# KiCad board motherboard.kicad_pcb
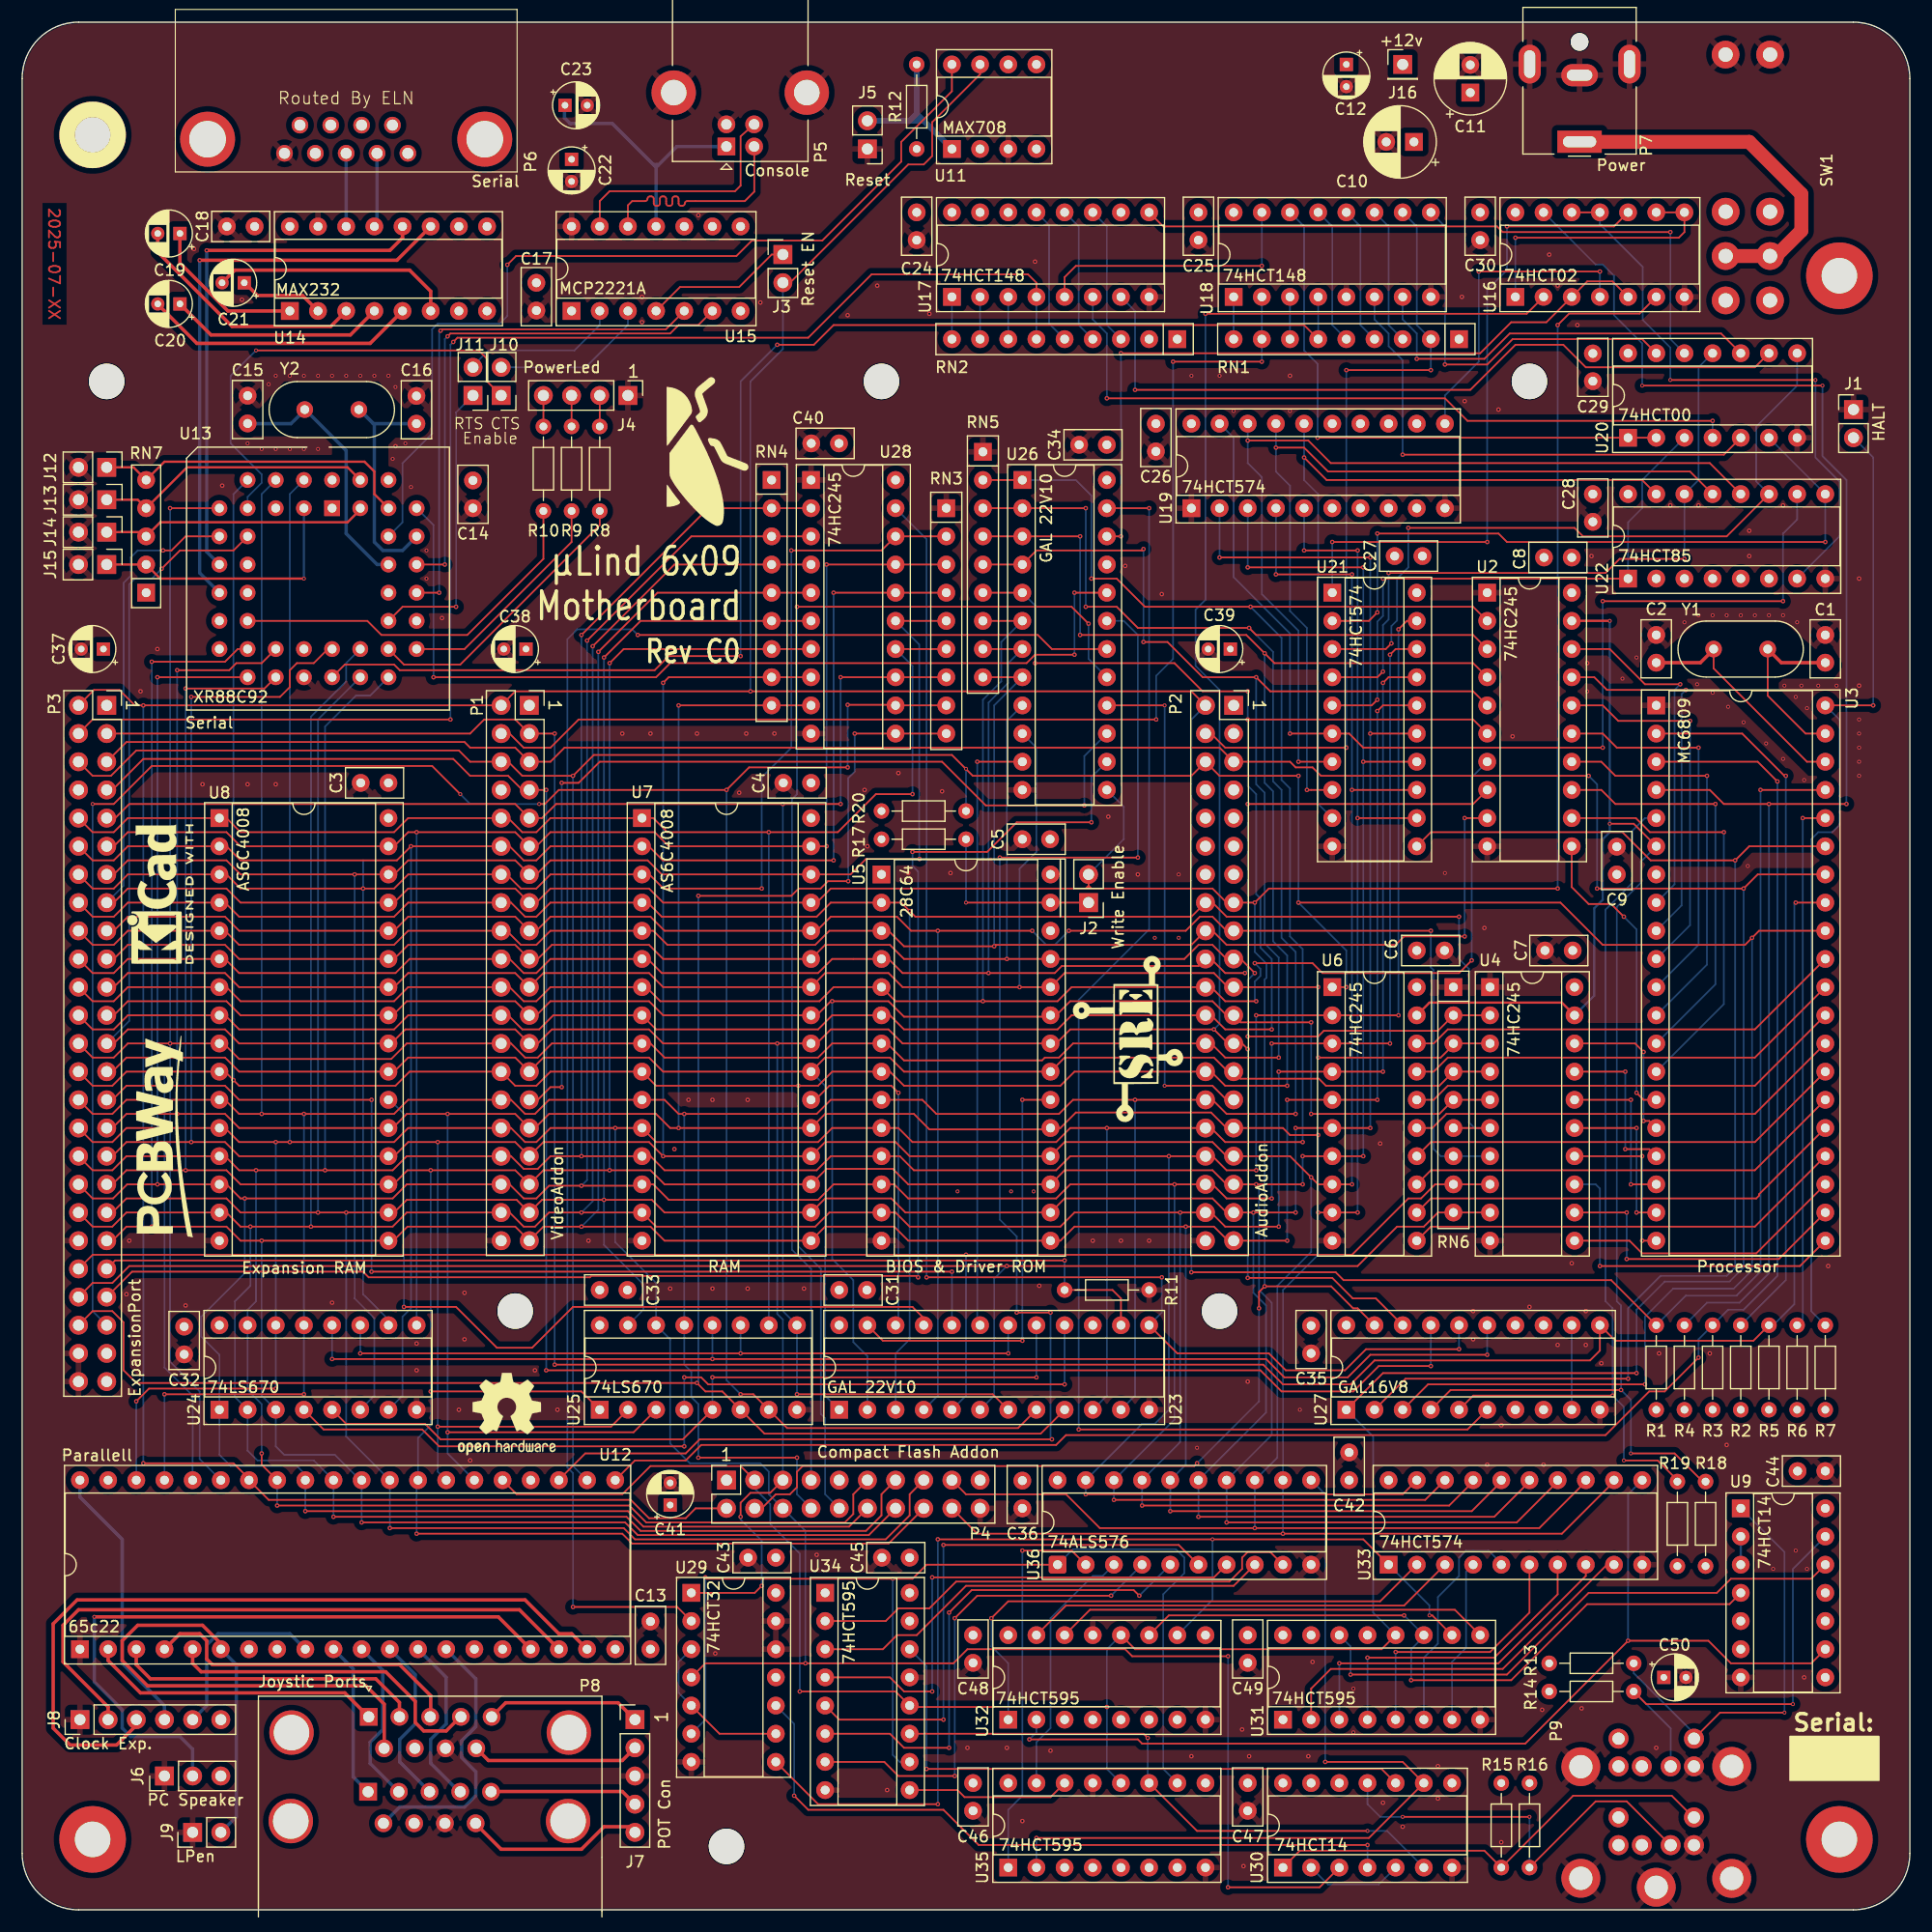
[diagram p0: board, top side]
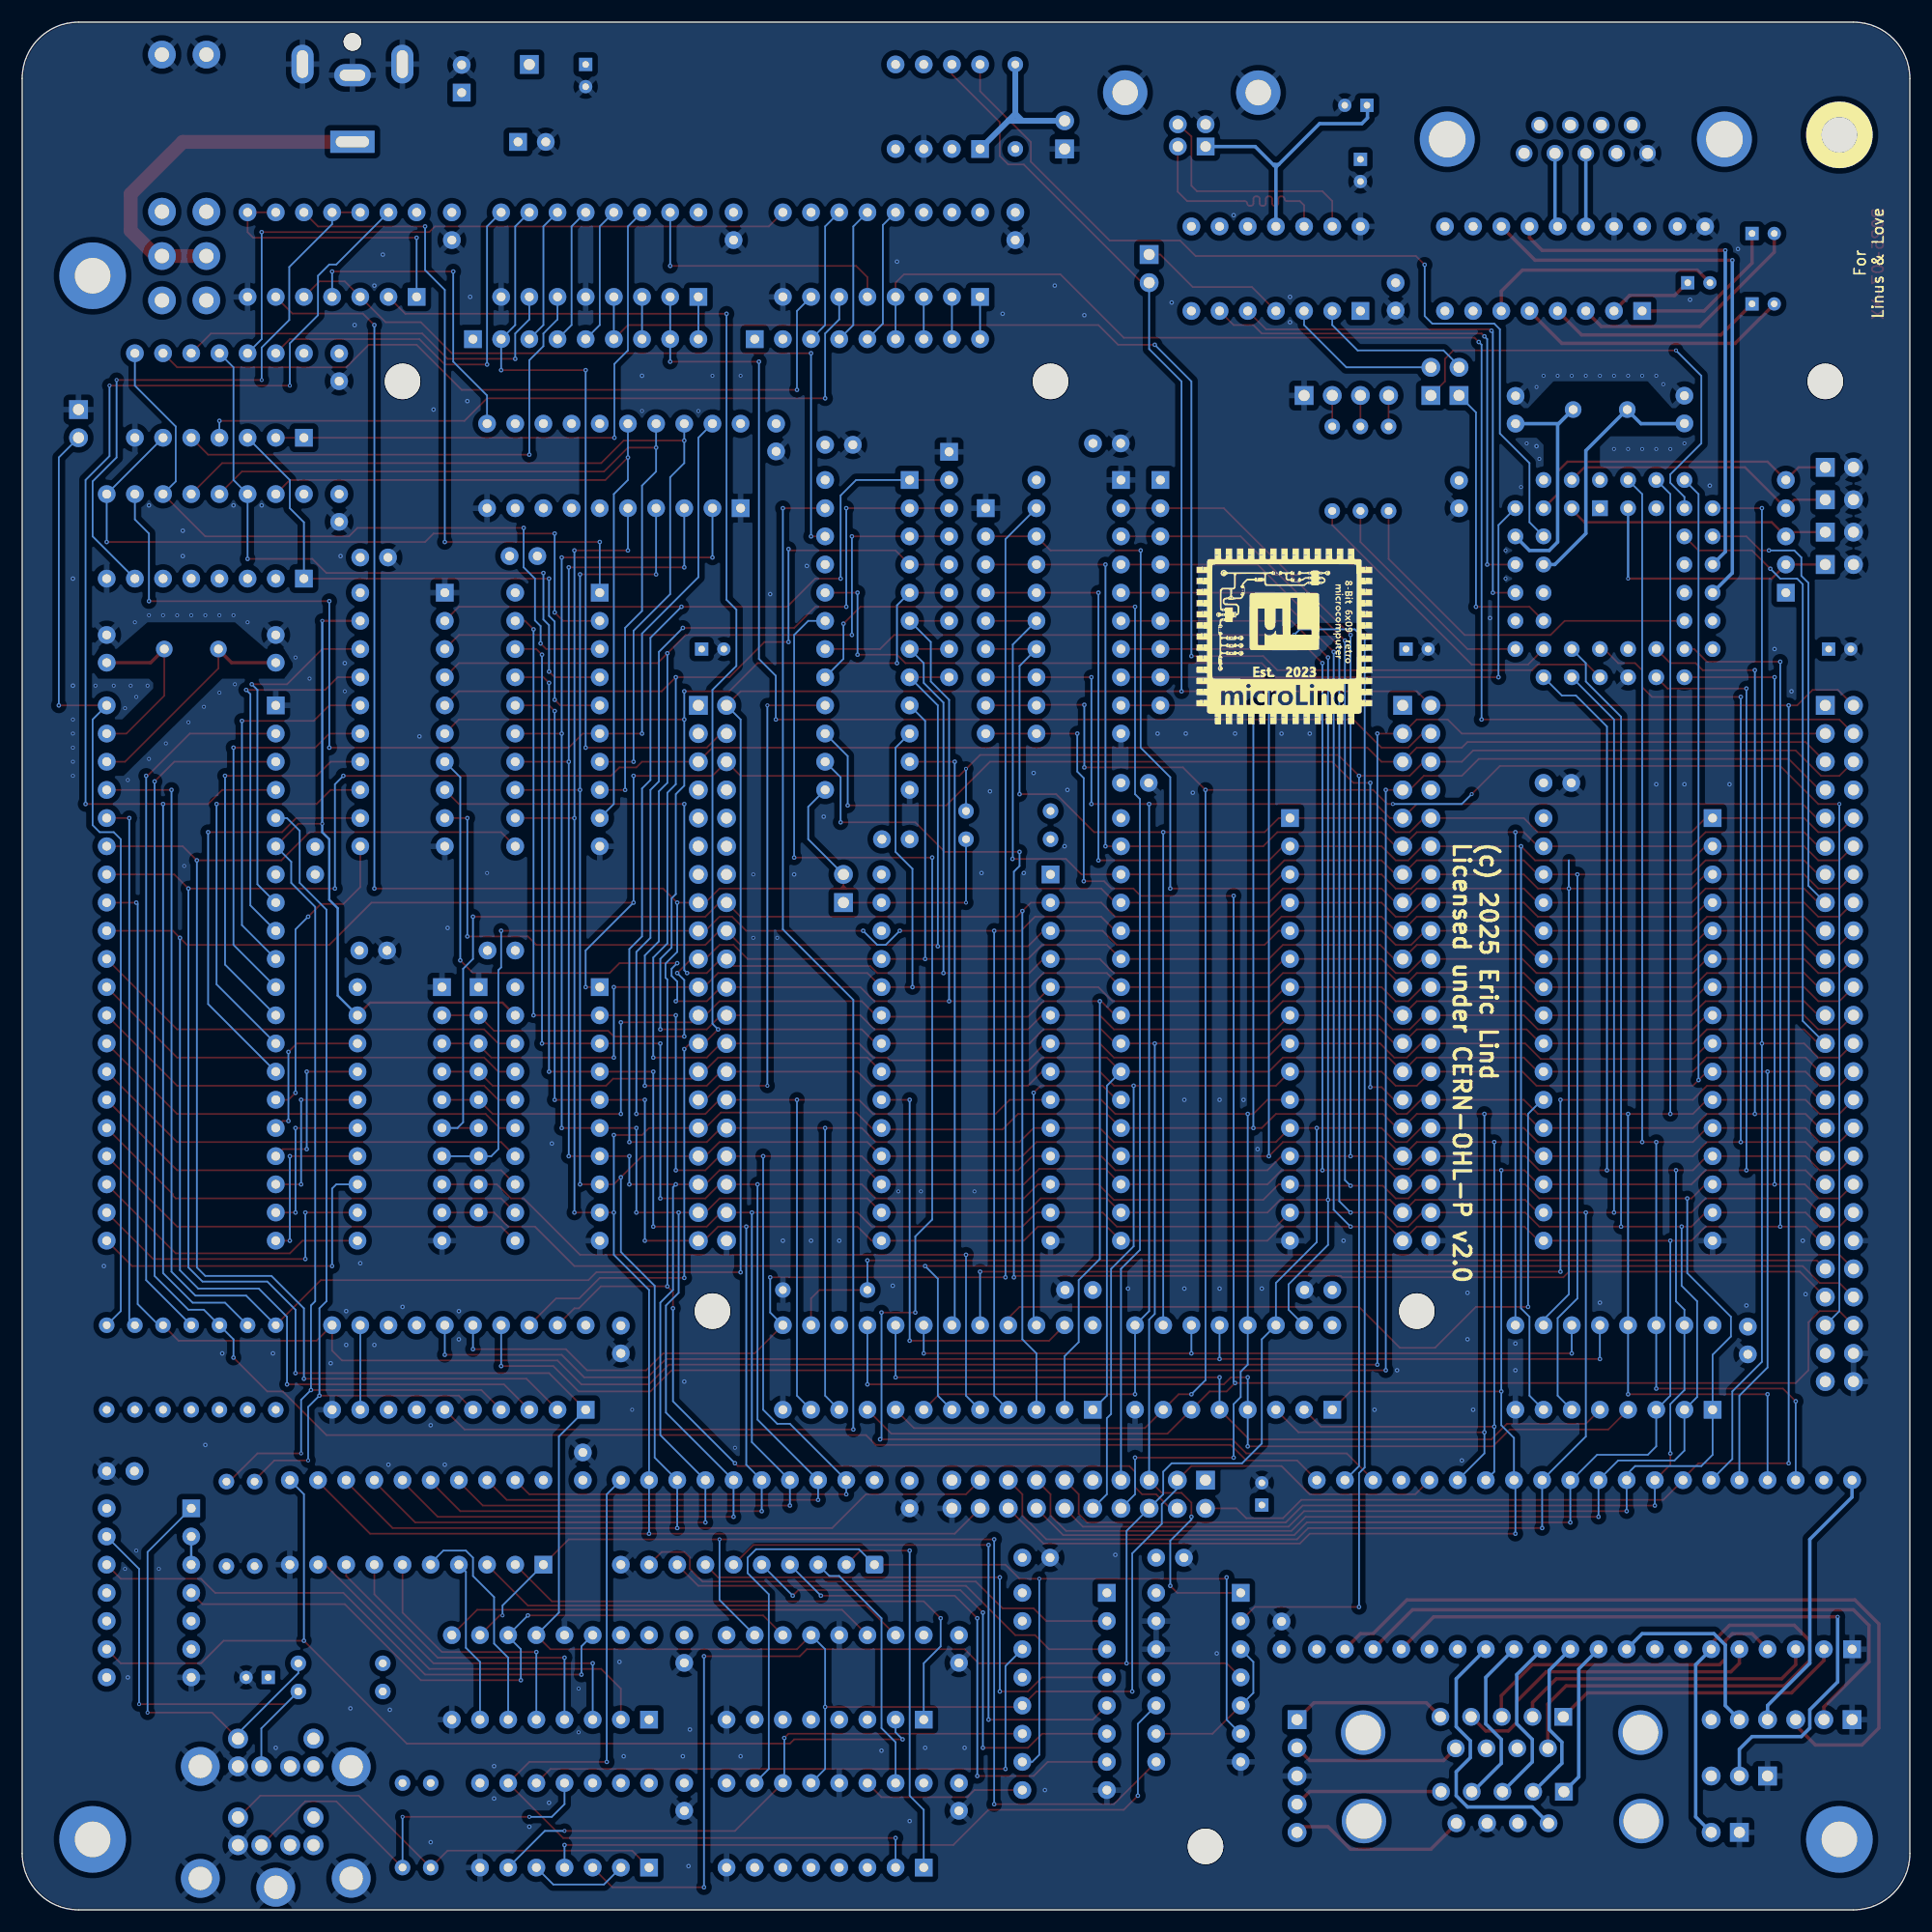
[diagram p1: board, bottom side, seen from below]

Outline 170.18 x 170.18 mm; copper layers: Top, In1.Cu (plane), In2.Cu (plane), Bottom. Coordinates in mm from the lower left corner of the outline.
Stack: Top 0.035mm / dielectric 0.1mm FR4 er 4.5 / In1.Cu 0.035mm / dielectric 1.24mm FR4 er 4.5 / In2.Cu 0.035mm / dielectric 0.1mm FR4 er 4.5 / Bottom 0.035mm

## Placement (name value [footprint] x y rotation side)
C1  22pF  [C_Disc_D5.0mm_W2.5mm_P2.50mm]  162.56 112.44 90 top
C2  22pF  [C_Disc_D5.0mm_W2.5mm_P2.50mm]  147.32 112.44 90 top
C3  100n  [C_Disc_D5.0mm_W2.5mm_P2.50mm]  33.02 101.6 180 top
C4  100n  [C_Disc_D5.0mm_W2.5mm_P2.50mm]  71.12 101.6 180 top
C5  100n  [C_Disc_D5.0mm_W2.5mm_P2.50mm]  92.67 96.52 180 top
C6  100n  [C_Disc_D5.0mm_W2.5mm_P2.50mm]  125.73 86.49 0 top
C7  100n  [C_Disc_D5.0mm_W2.5mm_P2.50mm]  139.79 86.49 180 top
C8  100n  [C_Disc_D5.0mm_W2.5mm_P2.50mm]  139.7 121.92 180 top
C9  100n  [C_Disc_D5.0mm_W2.5mm_P2.50mm]  143.76 93.34 90 top
C10  33µF  [CP_Radial_D6.3mm_P2.50mm]  125.48 159.38 180 top
C11  100µF  [CP_Radial_D6.3mm_P2.50mm]  130.56 163.83 90 top
C12  10µF  [CP_Radial_D4.0mm_P2.00mm]  119.38 166.37 270 top
C13  100n  [C_Disc_D5.0mm_W2.5mm_P2.50mm]  56.64 23.5 90 top
C14  100n  [C_Disc_D5.0mm_W2.5mm_P2.50mm]  40.64 128.87 270 top
C15  43pF  [C_Disc_D5.0mm_W2.5mm_P2.50mm]  20.32 134 90 top
C16  43pF  [C_Disc_D5.0mm_W2.5mm_P2.50mm]  35.54 133.98 90 top
C17  100n  [C_Disc_D5.0mm_W2.5mm_P2.50mm]  46.35 146.69 270 top
C18  100n  [C_Disc_D5.0mm_W2.5mm_P2.50mm]  20.96 151.76 180 top
C19  1u  [CP_Radial_D4.0mm_P2.00mm]  14.22 151.13 180 top
C20  1u  [CP_Radial_D4.0mm_P2.00mm]  14.22 144.78 180 top
C21  1u  [CP_Radial_D4.0mm_P2.00mm]  20.02 146.69 180 top
C22  1u  [CP_Radial_D4.0mm_P2.00mm]  49.53 157.82 270 top
C23  1u  [CP_Radial_D4.0mm_P2.00mm]  48.94 162.69 0 top
C24  100n  [C_Disc_D5.0mm_W2.5mm_P2.50mm]  80.64 153.03 270 top
C25  100n  [C_Disc_D5.0mm_W2.5mm_P2.50mm]  106.05 153.03 270 top
C26  100n  [C_Disc_D5.0mm_W2.5mm_P2.50mm]  102.21 133.98 270 top
C27  100n  [C_Disc_D5.0mm_W2.5mm_P2.50mm]  126.24 122.05 180 top
C28  100n  [C_Disc_D5.0mm_W2.5mm_P2.50mm]  141.61 127.63 270 top
C29  100n  [C_Disc_D5.0mm_W2.5mm_P2.50mm]  141.61 140.31 270 top
C30  100n  [C_Disc_D5.0mm_W2.5mm_P2.50mm]  131.45 153.03 270 top
C31  100n  [C_Disc_D5.0mm_W2.5mm_P2.50mm]  73.66 55.88 0 top
C32  100n  [C_Disc_D5.0mm_W2.5mm_P2.50mm]  14.61 52.58 270 top
C33  100n  [C_Disc_D5.0mm_W2.5mm_P2.50mm]  52.07 55.88 0 top
C34  100n  [C_Disc_D5.0mm_W2.5mm_P2.50mm]  97.79 132.08 180 top
C35  100n  [C_Disc_D5.0mm_W2.5mm_P2.50mm]  116.2 52.66 270 top
C36  100n  [C_Disc_D5.0mm_W2.5mm_P2.50mm]  90.17 38.69 270 top
C37  10u  [CP_Radial_D4.0mm_P2.00mm]  7.32 113.67 180 top
C38  10u  [CP_Radial_D4.0mm_P2.00mm]  45.42 113.66 180 top
C39  10u  [CP_Radial_D4.0mm_P2.00mm]  108.92 113.66 180 top
C40  100n  [C_Disc_D5.0mm_W2.5mm_P2.50mm]  73.64 132.21 180 top
C41  10u  [CP_Radial_D4.0mm_P2.00mm]  58.42 36.49 90 top
C42  100n  [C_Disc_D5.0mm_W2.5mm_P2.50mm]  119.63 38.73 90 top
C43  100n  [C_Disc_D5.0mm_W2.5mm_P2.50mm]  67.94 31.75 180 top
C44  100n  [C_Disc_D5.0mm_W2.5mm_P2.50mm]  160.06 39.55 0 top
C45  100n  [C_Disc_D5.0mm_W2.5mm_P2.50mm]  80.01 31.75 180 top
C46  100n  [C_Disc_D5.0mm_W2.5mm_P2.50mm]  85.72 11.43 270 top
C47  100n  [C_Disc_D5.0mm_W2.5mm_P2.50mm]  110.49 11.43 270 top
C48  100n  [C_Disc_D5.0mm_W2.5mm_P2.50mm]  85.72 24.76 270 top
C49  100n  [C_Disc_D5.0mm_W2.5mm_P2.50mm]  110.49 24.76 270 top
C50  10u  [CP_Radial_D4.0mm_P2.00mm]  148 20.95 0 top
G1  LOGO  [sre]  99.7 78.49 90 top
G***  LOGO  [fly_E_14mm]  61.72 131.32 0 top
G***#2  LOGO  [pcbway]  12.66 69.63 90 top
G***#3  LOGO  [ML_logo]  56.39 114.81 180 bottom
H1  MountingHole  [MountingHole_3.2mm_M3_ISO7380]  7.62 137.79 0 top
H2  MountingHole  [MountingHole_3.2mm_M3_ISO7380]  107.95 53.97 0 top
H3  MountingHole  [MountingHole_3.2mm_M3_ISO7380]  44.45 53.97 0 top
H4  MountingHole  [MountingHole_3.2mm_M3_ISO7380]  77.47 137.79 0 top
H5  MountingHole  [MountingHole_3.2mm_M3_ISO7380]  135.89 137.79 0 top
H6  MountingHole  [MountingHole_3.2mm_M3_ISO7380]  63.5 5.72 0 top
J1  HALT  [PinHeader_1x02_P2.54mm_Vertical]  165.1 135.25 0 top
J2  Write Enable  [PinHeader_1x02_P2.54mm_Vertical]  96.14 90.8 180 top
J3  Reset EN  [PinHeader_1x02_P2.54mm_Vertical]  68.58 149.23 0 top
J4  PowerLed  [PinHeader_1x04_P2.54mm_Vertical]  54.61 136.52 270 top
J5  Reset  [PinHeader_1x02_P2.54mm_Vertical]  76.2 158.75 180 top
J6  PC Speaker  [PinHeader_1x03_P2.54mm_Vertical]  12.83 12.06 90 top
J7  POT Con  [PinHeader_1x05_P2.54mm_Vertical]  55.24 17.14 0 top
J8  Clock Exp.  [PinHeader_1x06_P2.54mm_Vertical]  5.21 17.14 90 top
J9  LPen  [PinHeader_1x02_P2.54mm_Vertical]  15.37 6.98 90 top
J10  CTS  [PinHeader_1x02_P2.54mm_Vertical]  43.18 136.52 180 top
J11  RTS  [PinHeader_1x02_P2.54mm_Vertical]  40.64 136.52 180 top
J12  MEM  [PinHeader_1x02_P2.54mm_Vertical#2]  7.62 130.05 270 top
J13  EX1  [PinHeader_1x02_P2.54mm_Vertical#2]  7.62 127.13 270 top
J14  EX2  [PinHeader_1x02_P2.54mm_Vertical#2]  7.62 124.21 270 top
J15  FUT  [PinHeader_1x02_P2.54mm_Vertical#2]  7.62 121.28 270 top
J16  +12v  [PinHeader_1x01_P2.54mm_Vertical]  124.46 166.37 0 top
P1  VideoAddon  [PinSocket_2x20_P2.54mm_Vertical]  45.72 108.58 0 top
P2  AudioAddon  [PinSocket_2x20_P2.54mm_Vertical]  109.22 108.58 0 top
P3  ExpansionPort  [PinSocket_2x25_P2.54mm_Vertical]  7.62 108.58 0 top
P4  Compact Flash Addon  [PinSocket_2x10_P2.54mm_Vertical]  63.5 38.73 90 top
P5  Console  [USB_B_Lumberg_2411_02_Horizontal]  63.49 158.97 90 top
P6  Serial  [23018431]  34.77 158.36 180 top
P7  Power  [BarrelJack_CUI_PJ-063AH_Horizontal]  140.41 159.4 180 top
P8  Joystic Ports  [DSUB-9-Double_NorComp]  31.24 17.4 0 top
P9  ~  [2xPS2-Mini-Din]  147.32 -2.67 0 top
R1  10k  [R_Axial_DIN0204_L3.6mm_D1.6mm_P7.62mm_Horizontal]  147.32 52.7 270 top
R2  10k  [R_Axial_DIN0204_L3.6mm_D1.6mm_P7.62mm_Horizontal]  154.94 52.7 270 top
R3  10k  [R_Axial_DIN0204_L3.6mm_D1.6mm_P7.62mm_Horizontal]  152.4 52.7 270 top
R4  10k  [R_Axial_DIN0204_L3.6mm_D1.6mm_P7.62mm_Horizontal]  149.86 52.7 270 top
R5  10k  [R_Axial_DIN0204_L3.6mm_D1.6mm_P7.62mm_Horizontal]  157.48 52.7 270 top
R6  10k  [R_Axial_DIN0204_L3.6mm_D1.6mm_P7.62mm_Horizontal]  160.02 52.7 270 top
R7  10k  [R_Axial_DIN0204_L3.6mm_D1.6mm_P7.62mm_Horizontal]  162.56 52.7 270 top
R8  1k5  [R_Axial_DIN0204_L3.6mm_D1.6mm_P7.62mm_Horizontal]  52.07 133.73 270 top
R9  1k0  [R_Axial_DIN0204_L3.6mm_D1.6mm_P7.62mm_Horizontal]  49.53 133.73 270 top
R10  1k8  [R_Axial_DIN0204_L3.6mm_D1.6mm_P7.62mm_Horizontal]  46.99 133.73 270 top
R11  4k7  [R_Axial_DIN0204_L3.6mm_D1.6mm_P7.62mm_Horizontal]  93.98 55.88 0 top
R12  4k7  [R_Axial_DIN0204_L3.6mm_D1.6mm_P7.62mm_Horizontal]  80.64 158.75 90 top
R13  10k  [R_Axial_DIN0204_L3.6mm_D1.6mm_P7.62mm_Horizontal]  137.67 22.22 0 top
R14  10k  [R_Axial_DIN0204_L3.6mm_D1.6mm_P7.62mm_Horizontal]  137.67 19.69 0 top
R15  10k  [R_Axial_DIN0204_L3.6mm_D1.6mm_P7.62mm_Horizontal]  133.35 11.43 270 top
R16  10k  [R_Axial_DIN0204_L3.6mm_D1.6mm_P7.62mm_Horizontal]  135.89 11.43 270 top
R17  10k  [R_Axial_DIN0204_L3.6mm_D1.6mm_P7.62mm_Horizontal]  85.09 96.52 180 top
R18  10k  [R_Axial_DIN0204_L3.6mm_D1.6mm_P7.62mm_Horizontal]  151.77 30.99 90 top
R19  10k  [R_Axial_DIN0204_L3.6mm_D1.6mm_P7.62mm_Horizontal]  149.23 30.99 90 top
R20  10k  [R_Axial_DIN0204_L3.6mm_D1.6mm_P7.62mm_Horizontal]  85.09 99.06 180 top
REF**  -  [OSHW-Logo2_9.8x8mm_SilkScreen]  43.69 44.7 0 top
REF**#2  -  [KiCad-Logo2_5mm_SilkScreen]  12.45 91.57 90 top
RN1  R_Network08  [R_Array_SIP9]  104.14 141.6 180 top
RN2  R_Network08  [R_Array_SIP9]  129.54 141.6 180 top
RN3  10k  [R_Array_SIP9]  83.31 126.36 270 top
RN4  10k  [R_Array_SIP9]  67.56 128.9 270 top
RN5  10k  [R_Array_SIP9]  86.61 131.44 270 top
RN6  10k  [R_Array_SIP9]  129.03 83.19 270 top
RN7  4x 10k  [R_Array_SIP5]  11.18 118.75 90 top
SW1  Power Switch  [CMD-Switch]  155.58 141.1 0 top
U1  ~  [mITX]  0 0 0 top
U2  74HC245  [DIP-20_W7.62mm_Socket#2]  132.08 118.75 0 top
U3  MC6809  [DIP-40_W15.24mm_Socket]  147.32 108.58 0 top
U4  74HC245  [DIP-20_W7.62mm_Socket#2]  132.33 83.19 0 top
U5  28C64  [DIP-28_W15.24mm_Socket]  77.47 93.34 0 top
U6  74HC245  [DIP-20_W7.62mm_Socket#2]  118.11 83.19 0 top
U7  AS6C4008  [DIP-32_W15.24mm_Socket]  55.88 98.42 0 top
U8  AS6C4008  [DIP-32_W15.24mm_Socket]  17.78 98.42 0 top
U9  74HCT14  [DIP-14_W7.62mm_Socket]  154.94 36.19 0 top
U11  MAX708  [DIP-8_W7.62mm_Socket]  83.82 158.75 90 top
U12  65c22  [DIP-40_W15.24mm_Socket]  5.21 23.5 90 top
U13  XR88C92  [PLCC-44_THT-Socket]  27.94 126.36 0 top
U14  MAX232  [DIP-16_W7.62mm_Socket]  24.13 144.14 90 top
U15  MCP2221A  [DIP-14_W7.62mm_Socket]  49.53 144.14 90 top
U16  74HCT02  [DIP-14_W7.62mm_Socket]  134.62 145.41 90 top
U17  74HCT148  [DIP-16_W7.62mm_Socket]  83.82 145.41 90 top
U18  74HCT148  [DIP-16_W7.62mm_Socket]  109.22 145.41 90 top
U19  74HCT574  [DIP-20_W7.62mm_Socket#2]  105.41 126.36 90 top
U20  74HCT00  [DIP-14_W7.62mm_Socket]  144.78 132.71 90 top
U21  74HCT574  [DIP-20_W7.62mm_Socket#2]  118.11 118.75 0 top
U22  74HCT85  [DIP-16_W7.62mm_Socket]  144.78 120.01 90 top
U23  GAL 22V10  [DIP-24_W7.62mm_Socket]  73.66 45.08 90 top
U24  74LS670  [DIP-16_W7.62mm_Socket]  17.78 45.08 90 top
U25  74LS670  [DIP-16_W7.62mm_Socket]  52.07 45.08 90 top
U26  GAL 22V10  [DIP-24_W7.62mm_Socket]  90.17 128.9 0 top
U27  GAL16V8  [DIP-20_W7.62mm_Socket#2]  119.38 45.08 90 top
U28  74HC245  [DIP-20_W7.62mm_Socket#2]  71.12 128.9 0 top
U29  74HCT32  [DIP-14_W7.62mm_Socket]  60.32 28.57 0 top
U30  74HCT14  [DIP-14_W7.62mm_Socket]  113.67 3.81 90 top
U31  74HCT595  [DIP-16_W7.62mm_Socket]  113.67 17.14 90 top
U32  74HCT595  [DIP-16_W7.62mm_Socket]  88.9 17.14 90 top
U33  74HCT574  [DIP-20_W7.62mm_Socket#2]  123.19 31.11 90 top
U34  74HCT595  [DIP-16_W7.62mm_Socket]  72.39 28.57 0 top
U35  74HCT595  [DIP-16_W7.62mm_Socket]  88.9 3.81 90 top
U36  74ALS576  [DIP-20_W7.62mm_Socket]  93.34 31.11 90 top
Y1  12MHz  [Crystal_HC49-U_Vertical]  152.49 113.66 0 top
Y2  3.3864  [Crystal_HC49-U_Vertical]  30.35 135.25 180 top

## Library data of the parts
C1-C9 C13-C18 C24-C36 C40 C42-C49 = -: ki_fp_filters: C_*
C10-C12 = -: Description: Polarized capacitor; ki_fp_filters: CP_*
C19-C23 C37-C39 C41 C50 = -: ki_fp_filters: CP_*
H1-H6 = -: ki_fp_filters: MountingHole*
J1 J2 = -: Description: Generic connector, single row, 01x02, script generated (kicad-library-utils/schlib/autogen/connector/); ki_fp_filters: Connector*:*_1x??_*
J3 J10-J15 = -: Description: Jumper, 2-pole, open; ki_fp_filters: Jumper* TestPoint*2Pads* TestPoint*Bridge*
J4 = -: Description: RGB LED, cathode/red/green/blue; ki_fp_filters: LED* LED_SMD:* LED_THT:*
J5 = -: Description: Push button switch, generic, two pins
J6 = -: Description: Generic connector, single row, 01x03, script generated; ki_fp_filters: Connector*:*_1x??_*
J7 = -: Description: Generic connector, single row, 01x05, script generated; ki_fp_filters: Connector*:*_1x??_*
J8 = -: Description: Generic connector, single row, 01x06, script generated; ki_fp_filters: Connector*:*_1x??_*
J9 = -: Description: Generic connector, single row, 01x02, script generated; ki_fp_filters: Connector*:*_1x??_*
J16 = -: Description: Generic connector, single row, 01x01, script generated (kicad-library-utils/schlib/autogen/connector/); ki_fp_filters: Connector*:*_1x??_*
P1 P2 = -: ki_fp_filters: Connector*:*_2x??_*
P3 = -: Description: Generic connector, double row, 02x25, odd/even pin numbering scheme (row 1 odd numbers, row 2 even numbers), script generated (kicad-library-utils/schlib/autogen/connector/); ki_fp_filters: Connector*:*_2x??_*
P4 = -: Description: Generic connector, double row, 02x10, odd/even pin numbering scheme (row 1 odd numbers, row 2 even numbers), script generated (kicad-library-utils/schlib/autogen/connector/); ki_fp_filters: Connector*:*_2x??_*
P5 = -: ki_fp_filters: USB*
P6 = -: Description: 9-pin male plug pin D-SUB connector; ki_fp_filters: DSUB*Male*
P7 = -: Description: DC Barrel Jack with a mounting pin; ki_fp_filters: BarrelJack*
R1-R12 R17-R20 = -: Description: Resistor; ki_fp_filters: R_*
R13-R16 = -: ki_fp_filters: R_*
RN1-RN6 = -: Datasheet: http://www.vishay.com/docs/31509/csc.pdf; Description: 8 resistor network, star topology, bussed resistors, small symbol; ki_fp_filters: R?Array?SIP*
RN7 = -: Datasheet: http://www.vishay.com/docs/31509/csc.pdf; Description: 4 resistor network, star topology, bussed resistors, small symbol; ki_fp_filters: R?Array?SIP*
U2 U4 U6 U28 = -: Datasheet: http://www.ti.com/lit/gpn/sn74HC245; Description: Octal BUS Transceivers, 3-State outputs; ki_fp_filters: DIP?20*
U3 = -: Datasheet: http://pdf.datasheetcatalog.com/datasheet/motorola/MC68B09S.pdf; ki_fp_filters: DIP*W15.24mm*
U5 = -: Datasheet: http://ww1.microchip.com/downloads/en/DeviceDoc/11107M.pdf; ki_fp_filters: DIP*W15.24mm*
U7 U8 = -: Datasheet: https://www.alliancememory.com/wp-content/uploads/pdf/AS6C4008.pdf; ki_fp_filters: DIP*W15.24mm*
U9 U30 = -: Datasheet: http://www.ti.com/lit/gpn/sn74HC14; ki_fp_filters: DIP*W7.62mm*
U12 = -: Datasheet: http://www.6502.org/documents/datasheets/mos/mos_6522_preliminary_nov_1977.pdf; ki_fp_filters: DIP*W15.24mm*
U14 = -: Datasheet: http://www.ti.com/lit/ds/symlink/max232.pdf; ki_fp_filters: SOIC*P1.27mm* DIP*W7.62mm* TSSOP*4.4x5mm*P0.65mm*
U15 = -: Datasheet: http://ww1.microchip.com/downloads/en/DeviceDoc/20005565B.pdf; ki_fp_filters: DIP*W7.62mm*
U16 = -: Datasheet: http://www.ti.com/lit/gpn/sn74hct02; ki_fp_filters: SO14* DIP*W7.62mm*
U17 U18 = -: Datasheet: http://www.ti.com/lit/gpn/sn74LS148; ki_fp_filters: DIP?16*
U19 U21 = -: Datasheet: http://www.ti.com/lit/gpn/sn74LS574; ki_fp_filters: DIP?20*
U20 = -: Datasheet: http://www.ti.com/lit/gpn/sn74ls00; ki_fp_filters: DIP*W7.62mm* SO14*
U22 = -: Datasheet: http://www.ti.com/lit/gpn/sn74LS85; ki_fp_filters: DIP?16*
U24 U25 = -: Datasheet: http://www.ti.com/lit/gpn/sn74LS670; Description: 4 x 4 Register Files 3-State Outputs; ki_fp_filters: DIP?16*
U27 = -: ki_fp_filters: DIP* PDIP* SOIC* SO* PLCC*
U29 = -: Datasheet: http://www.ti.com/lit/gpn/sn74LS32; ki_fp_filters: DIP?14*
U31 U32 U34 U35 = -: Datasheet: http://www.ti.com/lit/ds/symlink/sn74hc595.pdf; ki_fp_filters: DIP*W7.62mm* SOIC*3.9x9.9mm*P1.27mm* TSSOP*4.4x5mm*P0.65mm* SOIC*5.3x10.2mm*P1.27mm* SOIC*7.5x10.3mm*P1.27mm*
U33 = -: Datasheet: 74xx/74hc573.pdf; ki_fp_filters: DIP?20*
U36 = -: Datasheet: https://www.ti.com/lit/ds/symlink/sn74als576b.pdf; Description: 8-bit Register, 3-state outputs; ki_fp_filters: DIP?20*
Y1 Y2 = -: Description: Two pin crystal; ki_fp_filters: Crystal*

## Footprints (pads in the part's own frame, mm; a bottom-side part is the same pattern mirrored in y, then rotated)
2xPS2-Mini-Din
  round 1.8 hole 1.1: 1(1.3,15.6) 2(-1.3,15.6) 3(3.4,15.6) 4(-3.4,15.6) 5(3.4,18.1) 6(-3.4,18.1) 7(1.3,8.5) 8(-1.3,8.5) 9(3.4,8.5) 10(-3.4,8.5) 11(3.4,11) 12(-3.4,11)
  round 3.5 hole 2.1: G(-6.8,15.57) G(-6.8,5.51) G(0,4.7) G(6.8,15.6) G(6.8,5.5)
23018431
  round 1.5 hole 1: 1(0,0) 2(2.78,0) 3(5.56,0) 4(8.34,0) 5(11.12,0) 6(1.39,-2.54) 7(4.17,-2.54) 8(6.95,-2.54) 9(9.73,-2.54)
  round 4.95 hole 3.3: MH1(-6.935,-1.27) MH2(18.055,-1.27)
BarrelJack_CUI_PJ-063AH_Horizontal
  round 1.6 hole 1.6 unplated: (0,-9)
  rect 4x2 hole 3x1: 1(0,0)
  oval 3.3x2 hole 2.3x1: 2(0,-6)
  oval 2x3.5 hole 1x2.5: MP(-4.5,-7) MP(4.5,-7)
C_Disc_D5.0mm_W2.5mm_P2.50mm
  round 1.6 hole 0.8: 1(0,0) 2(2.5,0)
CMD-Switch
  round 2.5 hole 1.3: 1(-2,8) 2(-2,4) 3(-2,12) 4(2,8) 5(2,4) 6(2,12) G(-2.007,26.162) G(2.007,26.162)
CP_Radial_D4.0mm_P2.00mm
  rect 1.2x1.2 hole 0.6: 1(0,0)
  round 1.2 hole 0.6: 2(2,0)
CP_Radial_D6.3mm_P2.50mm
  rect 1.6x1.6 hole 0.8: 1(0,0)
  round 1.6 hole 0.8: 2(2.5,0)
Crystal_HC49-U_Vertical
  round 1.5 hole 0.8: 1(0,0) 2(4.88,0)
DIP-8_W7.62mm_Socket
  rect 1.6x1.6 hole 0.8: 1(0,0)
  oval 1.6x1.6 hole 0.8: 2(0,-2.54) 3(0,-5.08) 4(0,-7.62) 5(7.62,-7.62) 6(7.62,-5.08) 7(7.62,-2.54) 8(7.62,0)
DIP-14_W7.62mm_Socket
  rect 1.6x1.6 hole 0.8: 1(0,0)
  oval 1.6x1.6 hole 0.8: 2(0,-2.54) 3(0,-5.08) 4(0,-7.62) 5(0,-10.16) 6(0,-12.7) 7(0,-15.24) 8(7.62,-15.24) 9(7.62,-12.7) 10(7.62,-10.16) 11(7.62,-7.62) 12(7.62,-5.08) 13(7.62,-2.54) 14(7.62,0)
DIP-16_W7.62mm_Socket
  rect 1.6x1.6 hole 0.8: 1(0,0)
  oval 1.6x1.6 hole 0.8: 2(0,-2.54) 3(0,-5.08) 4(0,-7.62) 5(0,-10.16) 6(0,-12.7) 7(0,-15.24) 8(0,-17.78) 9(7.62,-17.78) 10(7.62,-15.24) 11(7.62,-12.7) 12(7.62,-10.16) 13(7.62,-7.62) 14(7.62,-5.08) 15(7.62,-2.54) 16(7.62,0)
DIP-20_W7.62mm_Socket
  rrect 1.6x1.6 hole 0.8: 1(0,0)
  round 1.6 hole 0.8: 2(0,-2.54) 3(0,-5.08) 4(0,-7.62) 5(0,-10.16) 6(0,-12.7) 7(0,-15.24) 8(0,-17.78) 9(0,-20.32) 10(0,-22.86) 11(7.62,-22.86) 12(7.62,-20.32) 13(7.62,-17.78) 14(7.62,-15.24) 15(7.62,-12.7) 16(7.62,-10.16) 17(7.62,-7.62) 18(7.62,-5.08) 19(7.62,-2.54) 20(7.62,0)
DIP-20_W7.62mm_Socket#2
  rect 1.6x1.6 hole 0.8: 1(0,0)
  oval 1.6x1.6 hole 0.8: 2(0,-2.54) 3(0,-5.08) 4(0,-7.62) 5(0,-10.16) 6(0,-12.7) 7(0,-15.24) 8(0,-17.78) 9(0,-20.32) 10(0,-22.86) 11(7.62,-22.86) 12(7.62,-20.32) 13(7.62,-17.78) 14(7.62,-15.24) 15(7.62,-12.7) 16(7.62,-10.16) 17(7.62,-7.62) 18(7.62,-5.08) 19(7.62,-2.54) 20(7.62,0)
DIP-24_W7.62mm_Socket
  rect 1.6x1.6 hole 0.8: 1(0,0)
  oval 1.6x1.6 hole 0.8: 2(0,-2.54) 3(0,-5.08) 4(0,-7.62) 5(0,-10.16) 6(0,-12.7) 7(0,-15.24) 8(0,-17.78) 9(0,-20.32) 10(0,-22.86) 11(0,-25.4) 12(0,-27.94) 13(7.62,-27.94) 14(7.62,-25.4) 15(7.62,-22.86) 16(7.62,-20.32) 17(7.62,-17.78) 18(7.62,-15.24) 19(7.62,-12.7) 20(7.62,-10.16) 21(7.62,-7.62) 22(7.62,-5.08) 23(7.62,-2.54) 24(7.62,0)
DIP-28_W15.24mm_Socket
  rect 1.6x1.6 hole 0.8: 1(0,0)
  oval 1.6x1.6 hole 0.8: 2(0,-2.54) 3(0,-5.08) 4(0,-7.62) 5(0,-10.16) 6(0,-12.7) 7(0,-15.24) 8(0,-17.78) 9(0,-20.32) 10(0,-22.86) 11(0,-25.4) 12(0,-27.94) 13(0,-30.48) 14(0,-33.02) 15(15.24,-33.02) 16(15.24,-30.48) 17(15.24,-27.94) 18(15.24,-25.4) 19(15.24,-22.86) 20(15.24,-20.32) 21(15.24,-17.78) 22(15.24,-15.24) 23(15.24,-12.7) 24(15.24,-10.16) 25(15.24,-7.62) 26(15.24,-5.08) 27(15.24,-2.54) 28(15.24,0)
DIP-32_W15.24mm_Socket
  rect 1.6x1.6 hole 0.8: 1(0,0)
  oval 1.6x1.6 hole 0.8: 2(0,-2.54) 3(0,-5.08) 4(0,-7.62) 5(0,-10.16) 6(0,-12.7) 7(0,-15.24) 8(0,-17.78) 9(0,-20.32) 10(0,-22.86) 11(0,-25.4) 12(0,-27.94) 13(0,-30.48) 14(0,-33.02) 15(0,-35.56) 16(0,-38.1) 17(15.24,-38.1) 18(15.24,-35.56) 19(15.24,-33.02) 20(15.24,-30.48) 21(15.24,-27.94) 22(15.24,-25.4) 23(15.24,-22.86) 24(15.24,-20.32) 25(15.24,-17.78) 26(15.24,-15.24) 27(15.24,-12.7) 28(15.24,-10.16) 29(15.24,-7.62) 30(15.24,-5.08) 31(15.24,-2.54) 32(15.24,0)
DIP-40_W15.24mm_Socket
  rect 1.6x1.6 hole 0.8: 1(0,0)
  oval 1.6x1.6 hole 0.8: 2(0,-2.54) 3(0,-5.08) 4(0,-7.62) 5(0,-10.16) 6(0,-12.7) 7(0,-15.24) 8(0,-17.78) 9(0,-20.32) 10(0,-22.86) 11(0,-25.4) 12(0,-27.94) 13(0,-30.48) 14(0,-33.02) 15(0,-35.56) 16(0,-38.1) 17(0,-40.64) 18(0,-43.18) 19(0,-45.72) 20(0,-48.26) 21(15.24,-48.26) 22(15.24,-45.72) 23(15.24,-43.18) 24(15.24,-40.64) 25(15.24,-38.1) 26(15.24,-35.56) 27(15.24,-33.02) 28(15.24,-30.48) 29(15.24,-27.94) 30(15.24,-25.4) 31(15.24,-22.86) 32(15.24,-20.32) 33(15.24,-17.78) 34(15.24,-15.24) 35(15.24,-12.7) 36(15.24,-10.16) 37(15.24,-7.62) 38(15.24,-5.08) 39(15.24,-2.54) 40(15.24,0)